# Altium PCB OAI_KPA_MKO.PcbDoc (part 1 of 2)
Units mm, origin at the board's own origin, x right, y up, seen from the top; angles counter-clockwise.
Board outline 150.02 x 64.8 mm, 4 copper layers (Top Layer, Mid-Layer 1, Internal Plane 2, Bottom Layer); 133 components, 173 nets, 617 pads, 276 vias.
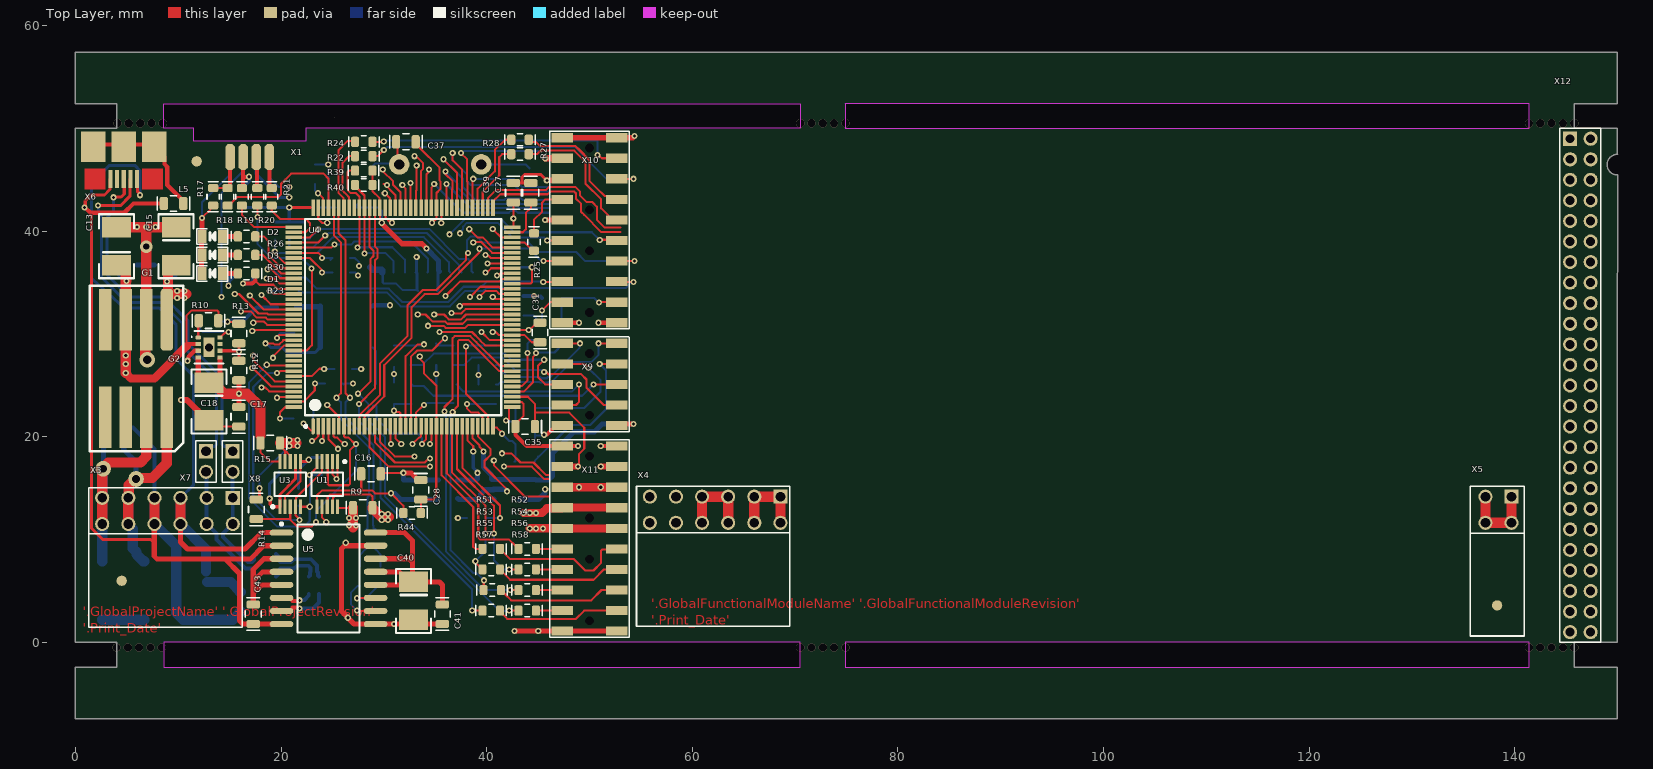
[diagram p0: Top Layer view]
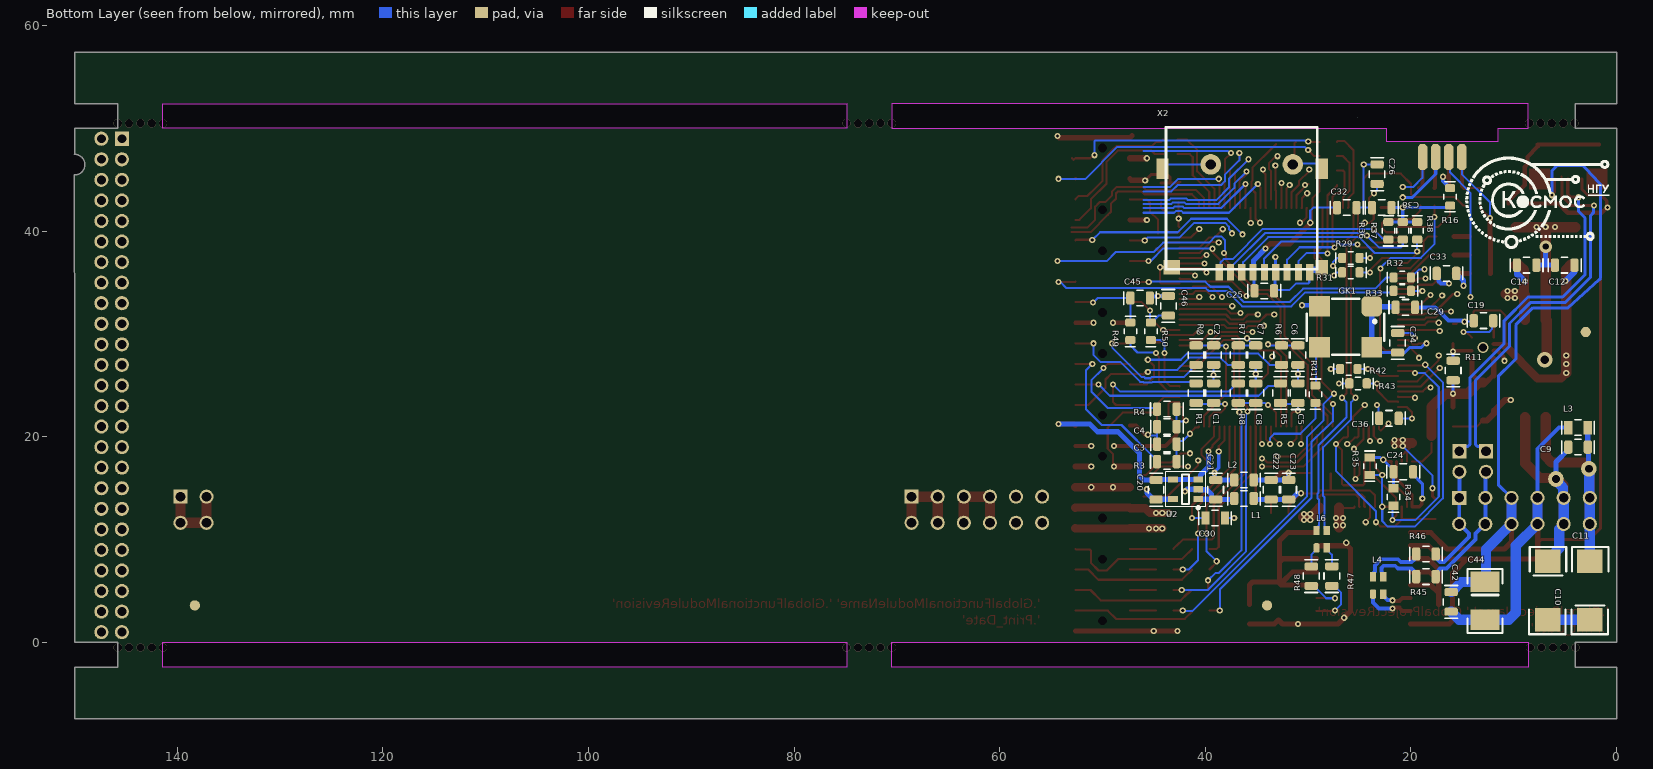
[diagram p1: Bottom Layer view, seen from below]
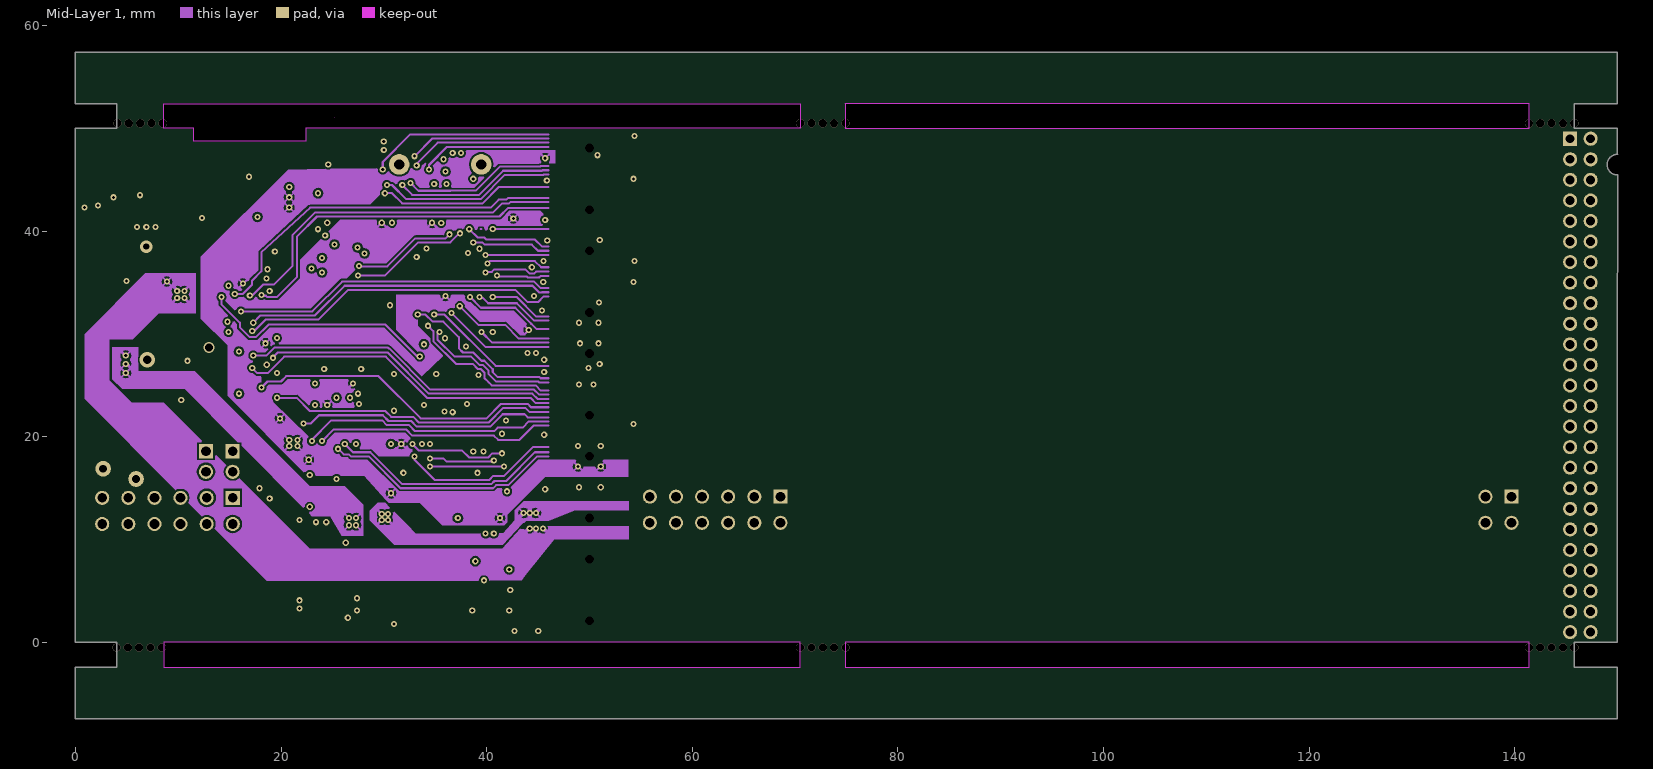
[diagram p2: Mid-Layer 1]
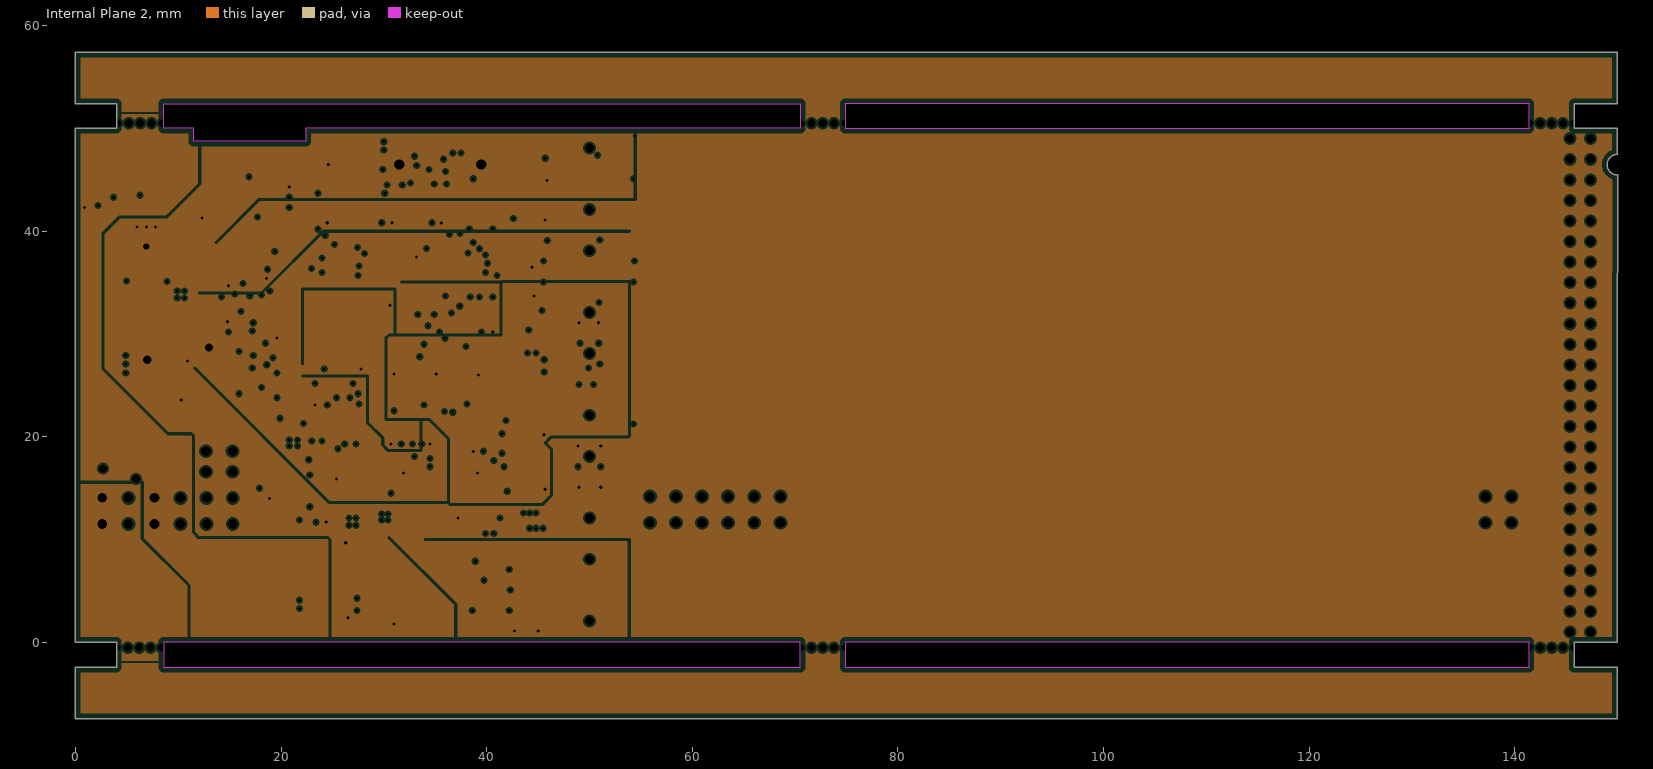
[diagram p3: Internal Plane 2, clearances drawn from the general rule]
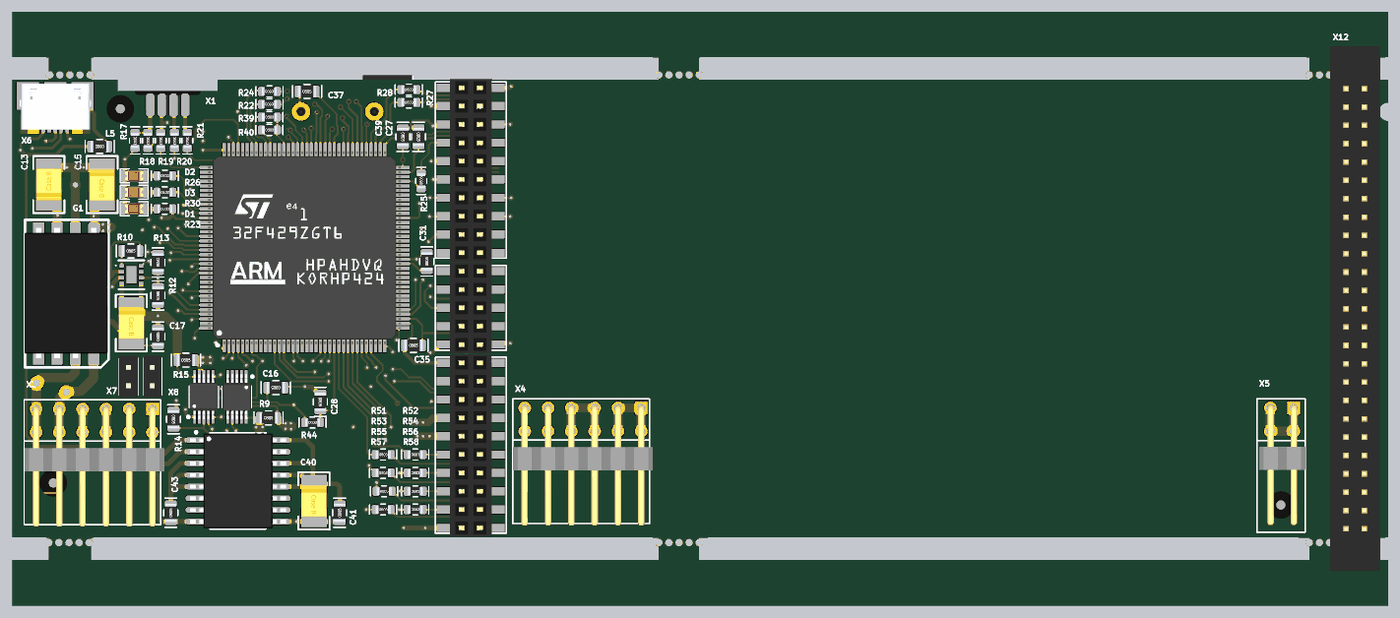
[diagram p5: 3D render of the assembled board from above, using the file's embedded part models]
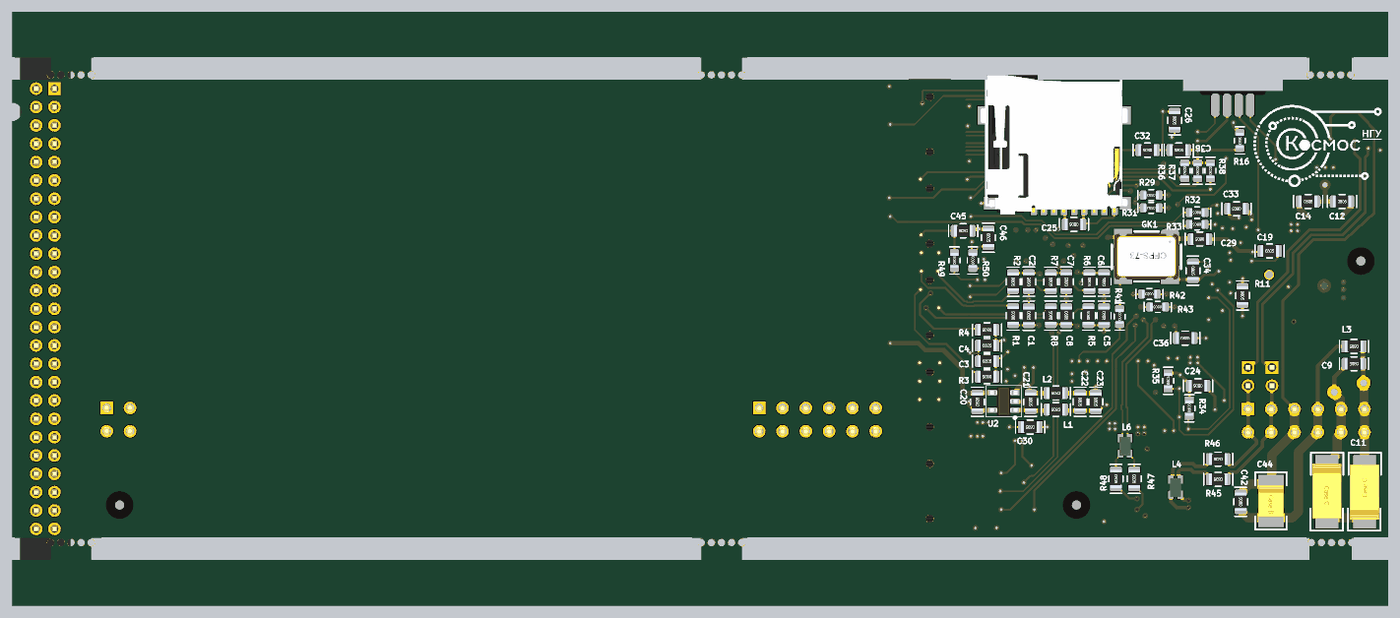
[diagram p6: 3D render of the assembled board from below, using the file's embedded part models]

## Layer stack, top to bottom
Top Solder: solder mask 0.0102, Solder Resist, Dk 3.5
Top Layer: signal copper 0.0356
Dielectric 1: dielectric 0.32, FR-4, Dk 4.8
Mid-Layer 1: signal copper 0.0356
Dielectric3: dielectric 0.32, FR-4, Dk 4.8
Internal Plane 2: plane copper 0.0356, net GND
Dielectric2: dielectric 0.32, FR-4, Dk 4.8
Bottom Layer: signal copper 0.0356
Bottom Solder: solder mask 0.0102, Solder Resist, Dk 3.5

## Board outline
0,-7.4 0,-2.4 4,-2.4 4,0 0,0 0,50 4,50 4,52.4 0,52.4 0,52.442 0,57.4 150,57.4 150,52.4 145.8,52.4 145.8,50 146,50 150,50 150,47.498 150.021,47.477 ccw(c149.992,46.478) 150.013,45.478 150,26.413 150,0 145.8,0 145.8,-2.4 150,-2.4 150,-7.4
cut-out: 25.2,51.1
cut-out: 8.6,52.4 70.5,52.4 70.5,50 22.422,50 22.422,48.73 11.5,48.73 11.5,50 8.6,50
cut-out: 74.8,52.4
cut-out: 74.9,52.4 74.9,50 141.4,50 141.4,52.4
cut-out: 8.6,-2.4 70.5,-2.4 70.5,0 8.6,0
cut-out: 74.9,0 74.9,-2.4 141.4,-2.4 141.4,0
cut-out: 141.4,0

## Design rules (kind name [scope] priority, off if disabled: settings)
Clearance "Clearance ALL" [All] p1: gap=0.2 ignorepadtopadclearanceinfootprint=TRUE
ComponentClearance [All] p1: gap=0.051 collisioncheckmode=3 verticalgap=0.051 showdistances=FALSE
DiffPairsRouting [All] p1: maxlimit=3 minlimit=0.2 mostfreqgap=0.25 toplayer_minwidth=0.2 toplayer_maxwidth=1 toplayer_prefwidth=0.25 midlayer1_minwidth=0.2 midlayer1_maxwidth=1 midlayer1_prefwidth=0.25 bottomlayer_minwidth=0.2 bottomlayer_maxwidth=1 bottomlayer_prefwidth=0.25 maxuncoupledlength=12.7
MatchedLengths [InDifferentialPair('No Differential Pair')] p1: tolerance=0.5 checknetsindiffpair=TRUE checkdiffpairvsdiffpair=FALSE checkxsignals=FALSE checkothers=FALSE usedelayunits=FALSE
PlaneClearance [All] p1: clearance=0.2
PlaneConnect [All] p1: planeconnectstyle=Relief reliefexpansion=0.508 reliefentries=4 reliefconductorwidth=0.254 reliefairgap=0.254
PolygonConnect [All] p1: thpad.connectstyle=Relief thpad.reliefconductorwidth=0.2 thpad.reliefentries=4 thpad.polygonreliefangle="90 Angle" thpad.airgapwidth=0.2 smdpad.connectstyle=Relief smdpad.reliefconductorwidth=0.2 smdpad.reliefentries=4 smdpad.polygonreliefangle="45 Angle" smdpad.airgapwidth=0.2 via.connectstyle=Relief via.reliefconductorwidth=0.2 via.reliefentries=4 via.polygonreliefangle="45 Angle" via.airgapwidth=0.2
RoutingVias [All] p1: holewidth=0.3 width=0.6 viastyle="Through Hole" minholewidth=0.3 minwidth=0.6 maxholewidth=1 maxwidth=3
SolderMaskExpansion [All] p1: expansion=0.102
Width [All] p1: maxlimit=1 minlimit=0.2 preferedwidth=0.2 minimp=50.000000 maximp=50.000000 favimp=50.000000
26 further rules are at their usual default settings.

## Classes and differential pairs
component class USB: C40 C41 C42 C43 C44 L4 L5 L6 R45 R46 R47 R48 U5 X6 X7 X8
component class Power: C9 C10 C11 C12 C13 C14 C15 C16 C17 C18 C19 C20 C21 C22 C23 C24 G1 G2 L1 L2 R9 R10 R11 R12 R13 R14 R15 U1 U2 U3
component class Module_main: X4 X5 X9 X10 X11
component class Digital_module: C25 C26 C27 C28 C29 C30 C31 C32 C33 C34 C35 C36 C37 C38 C39 D1 D2 D3 GK1 L3 R16 R17 R18 R19 R20 R21 R22 R23 R24 R25 R26 R27 R28 R29 R30 R31 R32 R33 R34 R35 R36 R37 R38 R39 R40 R41 R42 R43 R44 U4 X1 X2 X3
component class Device_unit: X12
component class Designator: R51 R52 R53 R54 R55 R56 R57 R58
component class DAC_Filter: C45 C46 R49 R50
component class ADC_Filter: C1 C2 C3 C4 C5 C6 C7 C8 R1 R2 R3 R4 R5 R6 R7 R8
differential pair Out_D_M2: +Out_D_M2_P -Out_D_M2_N
differential pair Out_D_M1: +Out_D_M1_P -Out_D_M1_N
differential pair Out_D_2: +Out_D_2_P -Out_D_2_N
differential pair Out_D_1_MB: +Out_D_1_MB_P -Out_D_1_MB_N
differential pair D_IN_3: +D_IN_3_P -D_IN_3_N
differential pair D_IN_2: +D_IN_2_P -D_IN_2_N
differential pair D_IN_1: +D_IN_1_P -D_IN_1_N

## Components (designator, comment, footprint, x,y, rotation, side; value= is the part's Value field where it differs from the comment)
C1 "200пФ" SMD_0805#1 39.2,25.2 r270 bottom value=0,1мкФ
C2 "200пФ" SMD_0805#1 39.2,27 r90 bottom value=0,1мкФ
C3 "200пФ" SMD_0805#1 44.7,19.29 r180 bottom value=0,1мкФ
C4 "200пФ" SMD_0805#1 44.7,20.99 r180 bottom value=0,1мкФ
C5 "200пФ" SMD_0805#1 31,25.2 r270 bottom value=0,1мкФ
C6 "200пФ" SMD_0805#1 31,27 r90 bottom value=0,1мкФ
C7 "200пФ" SMD_0805#1 35.1,27 r90 bottom value=0,1мкФ
C8 "200пФ" SMD_0805#1 35.1,25.2 r270 bottom value=0,1мкФ
C9 "0,1мкФ" SMD_0805#1 2.8,19 r0 bottom
C10 "10мкФх50В" SMD_size_C 6.7,7.9 r270 bottom
C11 "10мкФх50В" SMD_size_C 2.6,2.2 r90 bottom
C12 "0,22мкФ" SMD_0805#1 6,36.7 r180 bottom value=0,1мкФ
C13 "10мкФ 16В" SMD_size_B 4,36.7 r90 top value=10мкФх50В
C14 "0,22мкФ" SMD_0805#1 9.7,36.7 r180 bottom value=0,1мкФ
C15 "10мкФ 16В" SMD_size_B 9.8,40.383 r270 top value=10мкФх50В
C16 "0,22мкФ" SMD_0805#1 29.7,16.4 r180 top value=0,1мкФ
C17 "0,1мкФ" SMD_0805#1 15.9,21 r90 top
C18 "10мкФ 16В" SMD_size_B 13,25.283 r270 top value=10мкФх50В
C19 "0,22мкФ" SMD_0805#1 13.9,31.3 r180 bottom value=0,1мкФ
C20 "0,1мкФ" SMD_0805#1 44.8,13.9 r90 bottom
C21 "0,1мкФ" SMD_0805#1 39,15.805 r270 bottom
C22 "10мкФ" SMD_0805#1 33.6,15.805 r270 bottom value=0,1мкФ
C23 "0,1мкФ" SMD_0805#1 31.9,15.805 r270 bottom
C24 "0,22мкФ" SMD_0805#1 19.8,16.6 r0 bottom value=0,1мкФ
C25 "0,1мкФ" SMD_0805#1 33.322,34.2 r0 bottom
C26 "10мкФ" SMD_0805#1 23.3,46.5 r270 bottom value=0,1мкФ
C27 "10мкФ" SMD_0805#1 44.3,44.7 r270 top value=0,1мкФ
C28 "0,1мкФ" SMD_0805#1 33.6,15.8 r270 top
C29 "0,1мкФ" SMD_0805#1 19.6,32.6 r0 bottom
C30 "0,1мкФ" SMD_0805#2 38.1,12.1 r0 bottom
C31 "0,1мкФ" SMD_0805#1 45.2,29.2 r90 top
C32 "0,1мкФ" SMD_0805#1 25.3,42.3 r0 bottom
C33 "0,1мкФ" SMD_0805#1 15.6,35.9 r0 bottom
C34 "0,1мкФ" SMD_0805#1 21.3,30.1 r270 bottom
C35 "0,1мкФ" SMD_0805#1 42.8,21 r0 top
C36 "0,1мкФ" SMD_0805#1 23.1,21.8 r180 bottom
C37 "0,1мкФ" SMD_0805#1 31.2,48.7 r0 top
C38 "0,1мкФ" SMD_0805#1 23.8,42.3 r180 bottom
C39 "0,1мкФ" SMD_0805#1 42.6,44.7 r270 top
C40 "10мкФ 16В" SMD_size_B 32.9,5.883 r270 top value=10мкФх50В
C41 "0,1мкФ" SMD_0805#1 35.7,1.8 r90 top
C42 "0,1мкФ" SMD_0805#1 16.1,3 r90 bottom
C43 "0,1мкФ" SMD_0805#1 17.3,1.8 r90 top
C44 "10мкФ 16В" SMD_size_B 12.8,5.883 r270 bottom value=10мкФх50В
C45 "200пФ" SMD_0805#1 45.4,33.5 r0 bottom value=0,1мкФ
C46 "200пФ" SMD_0805#1 43.6,33.7 r270 bottom value=0,1мкФ
D1 "LED" LED-0805 14.332,35.9 r180 top value=red
D2 "LED" LED-0805 14.332,39.5 r180 top value=green
D3 "LED" LED-0805 14.332,37.7 r180 top value=yellow
G1 "TDN 5-4821" TDN_5_WISM 8.9,21.9 r90 top
G2 "TPS82130" USIL-8 11.95,29.675 r0 top
GK1 "GK108-P" SMD_7050_Crystal_Oscillator 23.82,32.7 r0 bottom
L1 "1мкГн" SMD_0805#1 35.3,14.005 r0 bottom
L2 "1мкГн" SMD_0805#1 35.3,15.805 r0 bottom
L3 "1мкГн" SMD_0805#2 2.8,20.9 r0 bottom
L4 "65Ом, 100 МГц" ACM2012 23.7,4.7 r90 bottom value="20мкГн, 8,5мОм"
L5 "1мкГн" SMD_0805#1 10.5,42.7 r180 top
L6 "65Ом, 100 МГц" ACM2012 29.2,9.2 r90 bottom value="20мкГн, 8,5мОм"
R1 "1к" SMD_0805#1 40.9,23.3 r90 bottom
R2 "1к" SMD_0805#1 40.9,28.9 r270 bottom
R3 "1к" SMD_0805#1 42.8,17.59 r0 bottom
R4 "1к" SMD_0805#1 42.8,22.7 r0 bottom
R5 "1к" SMD_0805#1 32.7,23.3 r90 bottom
R6 "1к" SMD_0805#1 32.6,28.9 r270 bottom
R7 "1к" SMD_0805#1 36.8,28.9 r270 bottom
R8 "1к" SMD_0805#1 36.8,23.3 r90 bottom
R9 "0,2 Ом" SMD_0805#1 27,13.1 r0 top value=1к
R10 "11 кОм" SMD_0805#1 12,31.3 r0 top value=1к
R11 "33кОм" SMD_0805#1 15.9,27.4 r270 bottom value=1к
R12 "15кОм" SMD_0805#1 15.9,27.4 r270 top value=1к
R13 "3к3" SMD_0805#1 15.9,31 r270 top value=1к
R14 "11 кОм" SMD_0805#1 17.6,13.9 r270 top value=1к
R15 "0,2 Ом" SMD_0805#1 18,19.4 r0 top value=1к
R16 "2K" SMD_0603#1 16.2,44.2 r270 bottom value=1к
R17 "2K" SMD_0603#1 13.4,44.2 r270 top value=1к
R18 "100" SMD_0603#1 14.8,44.2 r270 top value=1к
R19 "100" SMD_0603#1 16.2,44.2 r270 top value=1к
R20 "100" SMD_0603#1 17.7,44.2 r270 top value=1к
R21 "100" SMD_0603#1 19.1,44.2 r270 top value=1к
R22 "1к" SMD_0603#1 28.9,47.3 r180 top
R23 "13к" SMD_0603#1 15.8,35.9 r0 top value=1к
R24 "1к" SMD_0603#1 28.9,48.7 r180 top
R25 "1к" SMD_0603#1 44.6,38.1 r90 top
R26 "13к" SMD_0603#1 15.8,39.5 r0 top value=1к
R27 "1к" SMD_0603#1 42.4,47.5 r0 top
R28 "1к" SMD_0603#1 42.4,48.9 r0 top
R29 "1к" SMD_0603#1 25,37.4 r0 bottom
R30 "13к" SMD_0603#1 15.8,37.7 r0 top value=1к
R31 "1к" SMD_0603#1 25,36 r0 bottom
R32 "1к" SMD_0603#1 20,35.5 r0 bottom
R33 "1к" SMD_0603#1 20,34.2 r0 bottom
R34 "10к" SMD_0603#2 21.7,13.3 r90 bottom value=1к
R35 "10к" SMD_0603#2 24,16.3 r90 bottom value=1к
R36 "10к" SMD_0603#1 22.2,39.2 r90 bottom value=1к
R37 "10к" SMD_0603#1 20.8,39.2 r90 bottom value=1к
R38 "10к" SMD_0603#1 19.4,39.2 r90 bottom value=1к
R39 "10к" SMD_0603#1 27.2,45.9 r0 top value=1к
R40 "10к" SMD_0603#1 27.2,44.5 r0 top value=1к
R41 "27" SMD_0603#1 29.3,23.3 r90 bottom value=1к
R42 "1к" SMD_0603#1 25.2,26.6 r0 bottom
R43 "10к" SMD_0603#1 24.3,25.2 r0 bottom value=1к
R44 "10к" SMD_0603#1 31.9,12.6 r0 top value=1к
R45 "27" SMD_0805#1 17.6,6.4 r0 bottom value=1к
R46 "27" SMD_0805#1 17.6,8.6 r0 bottom value=1к
R47 "27" SMD_0805#1 27.7,7.4 r270 bottom value=1к
R48 "27" SMD_0805#1 29.7,7.4 r270 bottom value=1к
R49 "1к" SMD_0603#1 47.3,29.415 r90 bottom
R50 "1к" SMD_0603#1 45.3,29.415 r90 bottom
R51 "1к" SMD_0603#1 39.6,9.1 r0 top
R52 "1к" SMD_0603#1 43.096,9.1 r0 top
R53 "1к" SMD_0603#1 39.6,7.1 r0 top
R54 "1к" SMD_0603#1 43.096,7.1 r0 top
R55 "1к" SMD_0603#1 39.7,5.1 r0 top
R56 "1к" SMD_0603#1 43.096,5.1 r0 top
R57 "1к" SMD_0603#1 39.6,3.1 r0 top
R58 "1к" SMD_0603#1 43.096,3.1 r0 top
U1 "INA261" VSSOP-10 25.5,17.6 r270 top
U2 "ADR390" TSOT-5 40.7,13.955 r0 bottom
U3 "INA261" VSSOP-10 19.9,13.2 r90 top
U4 "STM32F405ZGT7" LQFP144 23.112,20.982 r270 top
U5 "ADuM1402" SOIC-16-WIDE 20.05,10.685 r0 top
X1 "EDGE_CONN 2x4" EDGE_CON-8 11.5,50 r0 top
X2 "SD-card" "SD-card holder" 36.43,46.5 r0 bottom
X3 "Header 2X6" "PLD2-12R 2.54" 15.31,14.065 r270 top
X4 "Header 2X6" "PLD2-12R 2.54" 68.58,14.18 r270 top
X5 "Header 2X4" "PLD2-4 R 2.54" 139.7,14.18 r270 top
X6 "mico-BF" "USB Micro-BF smd" 4.7,45.1 r180 top
X7 "Header 2X1" PLD2-2 12.7,18.6 r270 top
X8 "Header 2X1" PLD2-2 15.3,18.6 r270 top
X9 "Header 2X10" PBD2-10s 52.649,29.1 r0 top
X10 "Header 2X10" PBD2-20S 52.65,49.1 r0 top
X11 "Header 2X10" PBD2-20S 52.65,19.1 r0 top
X12 "Header 2X25" PLD2-50 145.4,49 r0 top

## Footprints (in the part's own frame and the unit in brackets; to place one, negate y for a bottom-side part, rotate by r counter-clockwise, add the part's x,y. Pads: shape width x height; smd on the part's side, far side on the other; paste and mask are expansions set on the pad)
ACM2012 [mm]
  rrect50% 0.9x0.6 smd: 1(0,0)
  rect 0.9x0.6 smd: 2(1.7,0) 3(1.7,-1) 4(0,-1)
  body extent -0.2,-1.1 1.8,0.1, height 1.29
EDGE_CON-8 [mil]
  oct 36x100 smd: A1(140,-110) A2(190,-110) A3(240,-110) A4(290,-110)
  oct 36x100 smd far side: B1(140,-110) B2(190,-110) B3(240,-110) B4(290,-110)
LED-0805 [mil]
  rect 35x50 smd: 1(0,0) 2(80,0)
  silkscreen extent -20,-30 100,30, body extent 1,-25 80,25, height 43
LQFP144 [mm] "Thin QFP, 144-Leads, Body 20x20mm, Pitch 0.5mm, ST Recommended"
  oval 1.6x0.35 smd: 1(-0.043,0.013)
  rect 1.6x0.35 smd: 2(-0.043,0.513) 3(-0.043,1.013) 4(-0.043,1.513) 5(-0.043,2.013) 6(-0.043,2.513) 7(-0.043,3.013) 8(-0.043,3.513) 9(-0.043,4.013) 10(-0.043,4.513) 11(-0.043,5.013) 12(-0.043,5.513) 13(-0.043,6.013) 14(-0.043,6.513) 15(-0.043,7.013) 16(-0.043,7.513) 17(-0.043,8.013) 18(-0.043,8.513) 19(-0.043,9.013) 20(-0.043,9.513) 21(-0.043,10.013) 22(-0.043,10.513) 23(-0.043,11.013) 24(-0.043,11.513) 25(-0.043,12.013) 26(-0.043,12.513) 27(-0.043,13.013) 28(-0.043,13.513) 29(-0.043,14.013) 30(-0.043,14.513) 31(-0.043,15.013) 32(-0.043,15.513) 33(-0.043,16.013) 34(-0.043,16.513) 35(-0.043,17.013) 36(-0.043,17.513) 73(-21.293,17.513) 74(-21.293,17.013) 75(-21.293,16.513) 76(-21.293,16.013) 77(-21.293,15.513) 78(-21.293,15.013) 79(-21.293,14.513) 80(-21.293,14.013) 81(-21.293,13.513) 82(-21.293,13.013) 83(-21.293,12.513) 84(-21.293,12.013) 85(-21.293,11.513) 86(-21.293,11.013) 87(-21.293,10.513) 88(-21.293,10.013) 89(-21.293,9.513) 90(-21.293,9.013) 91(-21.293,8.513) 92(-21.293,8.013) 93(-21.293,7.513) 94(-21.293,7.013) 95(-21.293,6.513) 96(-21.293,6.013) 97(-21.293,5.513) 98(-21.293,5.013) 99(-21.293,4.513) 100(-21.293,4.013) 101(-21.293,3.513) 102(-21.293,3.013) 103(-21.293,2.513) 104(-21.293,2.013) 105(-21.293,1.513) 106(-21.293,1.013) 107(-21.293,0.513) 108(-21.293,0.013)
  rect 0.35x1.6 smd: 37(-1.918,19.388) 38(-2.418,19.388) 39(-2.918,19.388) 40(-3.418,19.388) 41(-3.918,19.388) 42(-4.418,19.388) 43(-4.918,19.388) 44(-5.418,19.388) 45(-5.918,19.388) 46(-6.418,19.388) 47(-6.918,19.388) 48(-7.418,19.388) 49(-7.918,19.388) 50(-8.418,19.388) 51(-8.918,19.388) 52(-9.418,19.388) 53(-9.918,19.388) 54(-10.418,19.388) 55(-10.918,19.388) 56(-11.418,19.388) 57(-11.918,19.388) 58(-12.418,19.388) 59(-12.918,19.388) 60(-13.418,19.388) 61(-13.918,19.388) 62(-14.418,19.388) 63(-14.918,19.388) 64(-15.418,19.388) 65(-15.918,19.388) 66(-16.418,19.388) 67(-16.918,19.388) 68(-17.418,19.388) 69(-17.918,19.388) 70(-18.418,19.388) 71(-18.918,19.388) 72(-19.418,19.388) 109(-19.418,-1.862) 110(-18.918,-1.862) 111(-18.418,-1.862) 112(-17.918,-1.862) 113(-17.418,-1.862) 114(-16.918,-1.862) 115(-16.418,-1.862) 116(-15.918,-1.862) 117(-15.418,-1.862) 118(-14.918,-1.862) 119(-14.418,-1.862) 120(-13.918,-1.862) 121(-13.418,-1.862) 122(-12.918,-1.862) 123(-12.418,-1.862) 124(-11.918,-1.862) 125(-11.418,-1.862) 126(-10.918,-1.862) 127(-10.418,-1.862) 128(-9.918,-1.862) 129(-9.418,-1.862) 130(-8.918,-1.862) 131(-8.418,-1.862) 132(-7.918,-1.862) 133(-7.418,-1.862) 134(-6.918,-1.862) 135(-6.418,-1.862) 136(-5.918,-1.862) 137(-5.418,-1.862) 138(-4.918,-1.862) 139(-4.418,-1.862) 140(-3.918,-1.862) 141(-3.418,-1.862) 142(-2.918,-1.862) 143(-2.418,-1.862) 144(-1.918,-1.862)
  silkscreen extent -20.22,-0.84 0.08,18.31, body extent -21.67,-2.24 0.33,19.76, height 2
PBD2-10s [mm]
  round 0 hole 0.85: 0(-2.65,-7) 0(-2.65,-1)
  rect 2.1x0.89 smd: 1(0,0) 2(-5.3,0) 3(0,-2) 4(-5.3,-2) 5(0,-4) 6(-5.3,-4) 7(0,-6) 8(-5.3,-6) 9(0,-8) 10(-5.3,-8)
  silkscreen extent -6.52,-8.62 1.22,0.63, body extent -5.9,-8.95 0.6,0.95, height 4.2
PBD2-20S [mm]
  round 0 hole 0.85: 0(-2.65,-17) 0(-2.65,-11) 0(-2.65,-7) 0(-2.65,-1)
  rect 2.1x0.89 smd: 1(0,0) 2(-5.3,0) 3(0,-2) 4(-5.3,-2) 5(0,-4) 6(-5.3,-4) 7(0,-6) 8(-5.3,-6) 9(0,-8) 10(-5.3,-8) 11(0,-10) 12(-5.3,-10) 13(0,-12) 14(-5.3,-12) 15(0,-14) 16(-5.3,-14) 17(0,-16) 18(-5.3,-16) 19(0,-18) 20(-5.3,-18)
  silkscreen extent -6.53,-18.57 1.22,0.63, body extent -5.9,-18.95 0.6,0.95, height 4.2
PLD2-2 [mil]
  rect 54x54 hole 37.4: 1(0,0)
  round 54 hole 37.4: 2(78.74,0)
  silkscreen extent -39,-40 118,39, body extent -51,-40 130,39, height 217
"PLD2-4 R 2.54" [mil]
  rect 54x54 hole 37.4: 1(0,0)
  round 54 hole 37.4: 2(100,0) 3(0,-100) 4(100,-100)
  silkscreen extent -39,-158 534,49, body extent -15,-149 502,51, height 200
"PLD2-12R 2.54" [mil]
  rect 54x54 hole 37.4: 1(0,0)
  round 54 hole 37.4: 2(100,0) 3(0,-100) 4(100,-100) 5(0,-200) 6(100,-200) 7(0,-300) 8(100,-300) 9(0,-400) 10(100,-400) 11(0,-500) 12(100,-500)